# KiCad board totem_0_3.kicad_pcb
title: TOTEM split keyboard; date: 2022-11-03; rev: 0.3; note: Made by GEIST
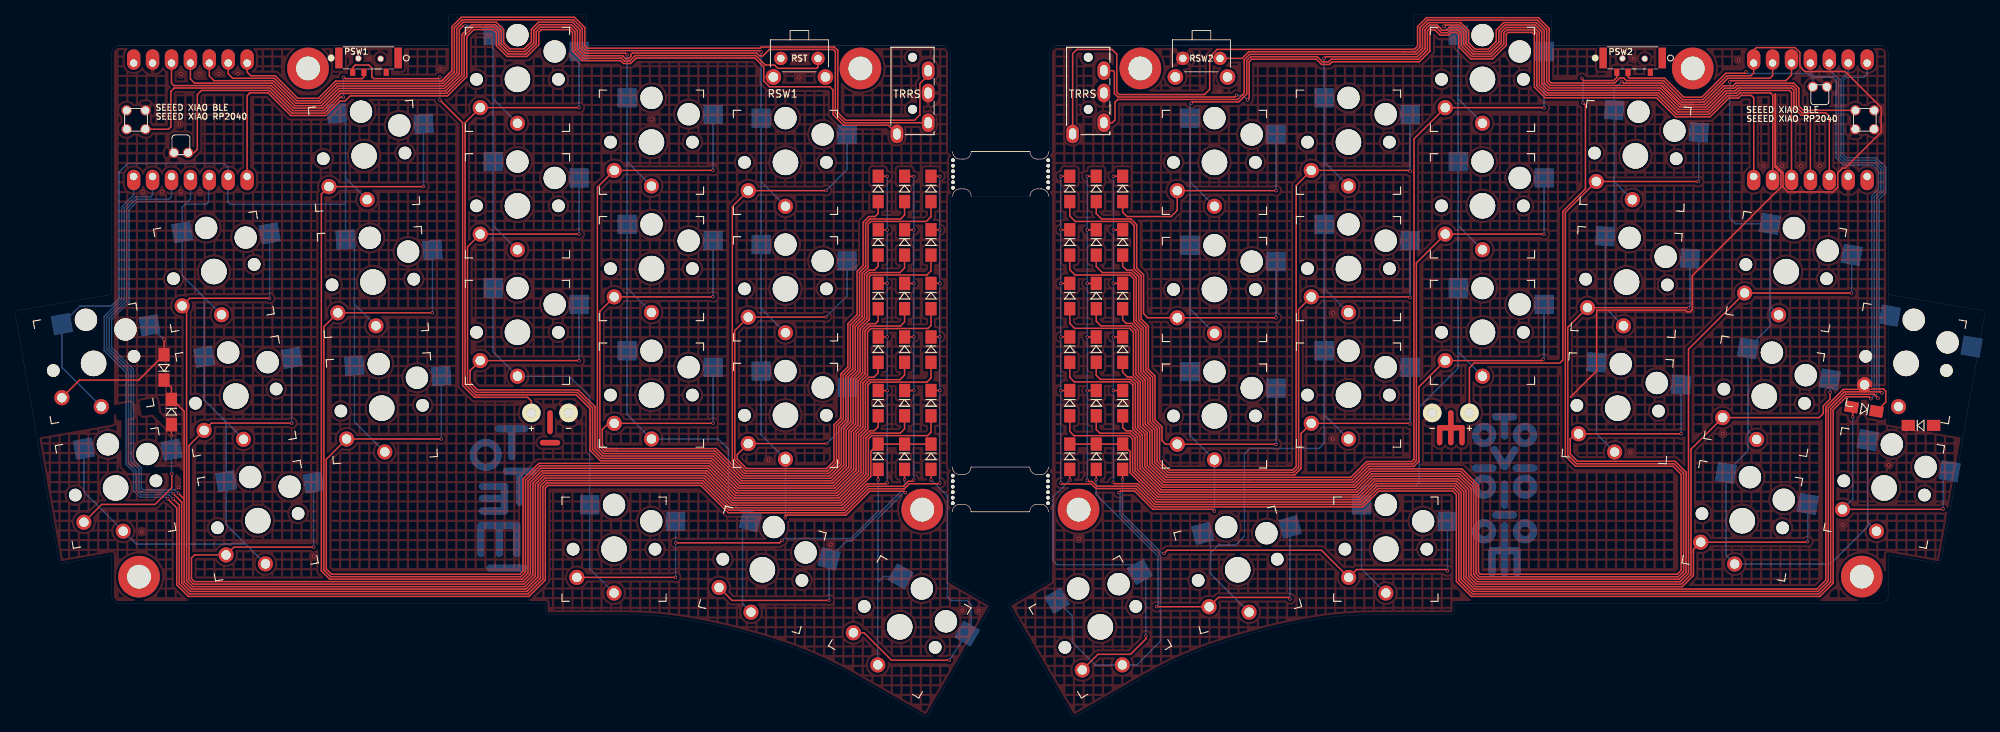
[diagram p0: board, top side]
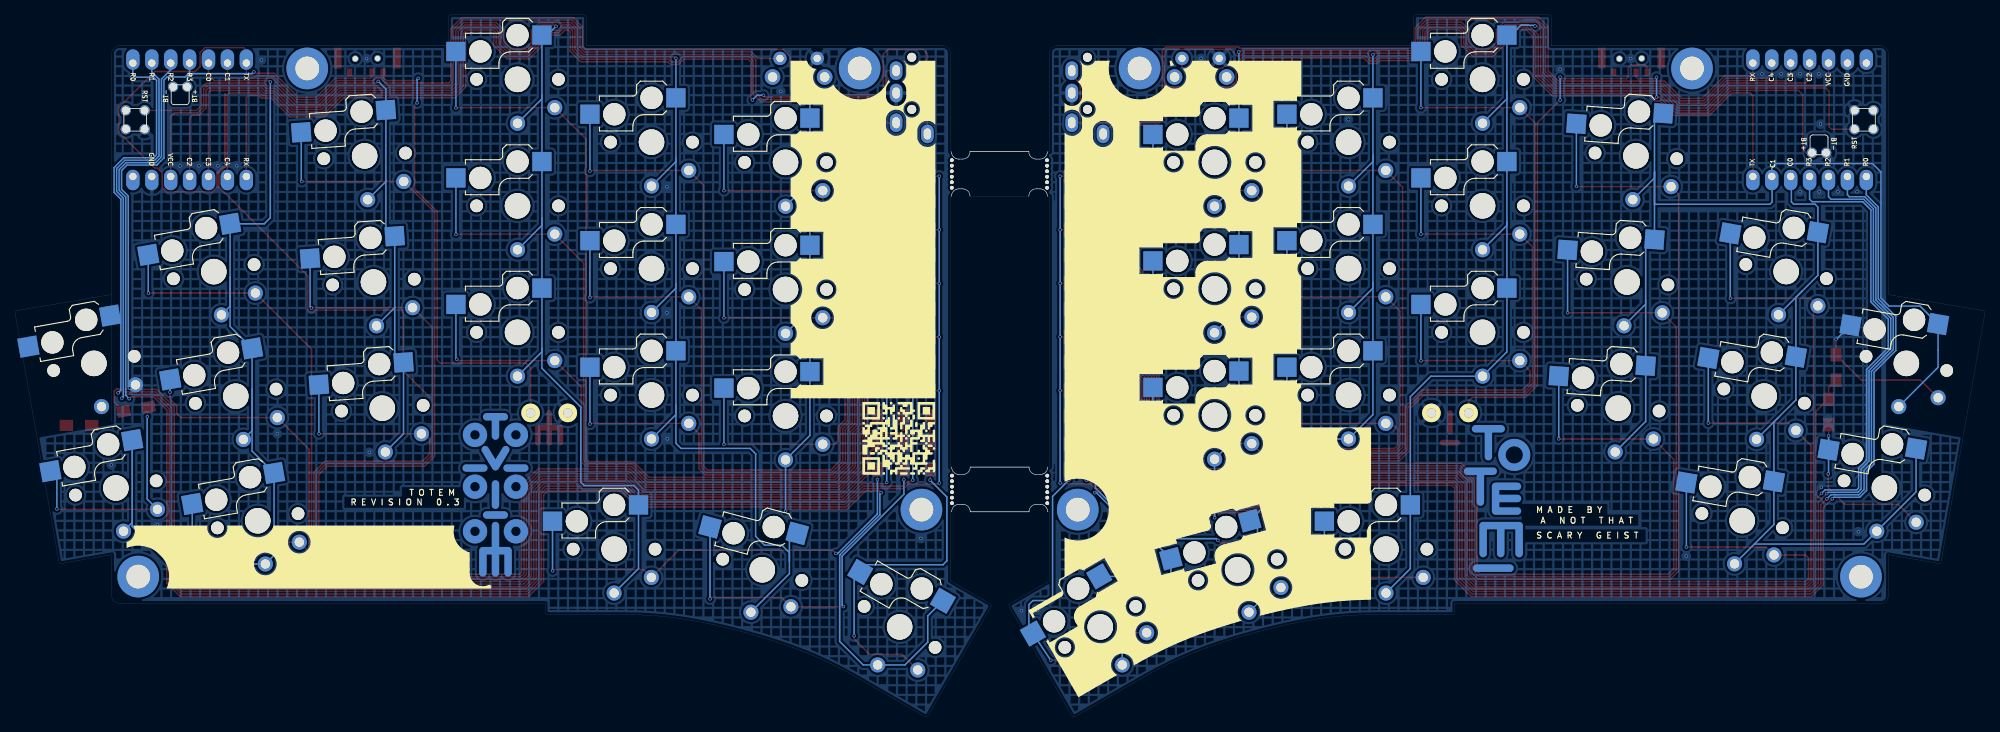
[diagram p1: board, bottom side, seen from below]

Outline 264.64 x 94.39 mm; copper layers: Top, Bottom. Coordinates in mm from the lower left corner of the outline.
Outline path: 125.92,33.61 125.65,33.61 125.65,70.01 125.95,70.01 ; 125.65,76.01 125.95,76.01 ; 125.92,27.61 125.64,27.61 ; 128.42,27.61 136.32,27.61 ; 128.42,33.61 136.32,33.61 ; 128.45,76.01 136.35,76.01 ; 136.35,70.01 128.45,70.01 ; 138.82,27.61 138.99,27.61 ; 138.82,33.61 139,33.61 139,70.01 138.85,70.01 ; 138.85,76.01 139,76.01
Stack: Top 0.035mm / dielectric 1.51mm FR4 er 4.5 / Bottom 0.035mm

## Placement (name value [footprint] x y rotation side)
BAT+1  +  [BatteryPad]  69.38 40.89 0 top
BAT+2  +  [BatteryPad]  195.38 40.89 0 top
BATGND1  -  [BatteryPad]  74.38 40.89 0 top
BATGND2  -  [BatteryPad]  190.38 40.89 0 top
DL1  D_Small  [Diode_SOD123]  123.05 42.2 270 top
DL2  D_Small  [Diode_SOD123]  123.05 49.4 270 top
DL3  D_Small  [Diode_SOD123]  123.05 56.6 270 top
DL4  D_Small  [Diode_SOD123]  123.05 63.8 270 top
DL5  D_Small  [Diode_SOD123]  123.05 71 270 top
DL6  D_Small  [Diode_SOD123]  119.5 42.2 270 top
DL7  D_Small  [Diode_SOD123]  119.5 49.4 270 top
DL8  D_Small  [Diode_SOD123]  119.5 56.59 270 top
DL9  D_Small  [Diode_SOD123]  119.5 63.8 270 top
DL10  D_Small  [Diode_SOD123]  119.5 71 270 top
DL11  D_Small  [Diode_SOD123]  115.95 42.2 270 top
DL12  D_Small  [Diode_SOD123]  115.95 49.4 270 top
DL13  D_Small  [Diode_SOD123]  115.95 56.59 270 top
DL14  D_Small  [Diode_SOD123]  115.95 63.8 270 top
DL15  D_Small  [Diode_SOD123]  115.95 71 270 top
DL16  D_Small  [Diode_SOD123]  21.03 41 270 top
DL17  D_Small  [Diode_SOD123]  20.03 47 90 top
DL18  D_Small  [Diode_SOD123]  115.95 35 270 top
DL19  D_Small  [Diode_SOD123]  119.5 35 270 top
DL20  D_Small  [Diode_SOD123]  123.05 35 270 top
DR1  D_Small  [Diode_SOD123]  148.8 42.2 270 top
DR2  D_Small  [Diode_SOD123]  148.8 49.4 270 top
DR3  D_Small  [Diode_SOD123]  148.8 56.59 270 top
DR4  D_Small  [Diode_SOD123]  148.8 63.8 270 top
DR5  D_Small  [Diode_SOD123]  148.8 71 270 top
DR6  D_Small  [Diode_SOD123]  145.25 42.2 270 top
DR7  D_Small  [Diode_SOD123]  145.25 49.4 270 top
DR8  D_Small  [Diode_SOD123]  145.25 56.59 270 top
DR9  D_Small  [Diode_SOD123]  145.25 63.8 270 top
DR10  D_Small  [Diode_SOD123]  145.25 71 270 top
DR11  D_Small  [Diode_SOD123]  141.7 42.2 270 top
DR12  D_Small  [Diode_SOD123]  141.7 49.4 270 top
DR13  D_Small  [Diode_SOD123]  141.7 56.59 270 top
DR14  D_Small  [Diode_SOD123]  141.7 63.8 270 top
DR15  D_Small  [Diode_SOD123]  141.7 71 270 top
DR16  D_Small  [Diode_SOD123]  248.38 41.39 170 top
DR17  D_Small  [Diode_SOD123]  148.8 35 270 top
DR18  D_Small  [Diode_SOD123]  145.25 35 270 top
DR19  D_Small  [Diode_SOD123]  141.7 35 270 top
DR20  D_Small  [Diode_SOD123]  256.03 39.2 0 top
J1  MJ-4PP-9  [MJ-4PP-9_1side]  120.58 90.19 0 top
J2  MJ-4PP-9  [MJ-4PP-9_1side]  144.18 90.19 0 top
PSW1  SW_SPDT  [MSK12C02]  51.38 89.89 270 top
PSW2  SW_SPDT  [MSK12C02]  221.18 89.89 270 top
REF**  mousebites 2mm  [mousebites_2.5mm]  138.82 30.61 0 top
REF**#2  -  [MountingHole_3.2mm_M3_DIN965_Pad]  121.88 27.89 0 top
REF**#3  -  [MountingHole_3.2mm_M3_DIN965_Pad]  16.68 18.88 0 top
REF**#4  -  [MountingHole_3.2mm_M3_DIN965_Pad]  248.08 18.89 0 top
REF**#5  -  [MountingHole_3.2mm_M3_DIN965_Pad]  225.38 87.19 0 top
REF**#6  -  [MountingHole_3.2mm_M3_DIN965_Pad]  39.38 87.19 0 top
REF**#7  mousebites 2mm  [mousebites_2.5mm]  125.92 30.61 180 top
REF**#8  mousebites 2mm  [mousebites_2.5mm]  138.85 73.01 0 top
REF**#9  -  [MountingHole_3.2mm_M3_DIN965_Pad]  142.88 27.89 0 top
REF**#10  -  [MountingHole_3.2mm_M3_DIN965_Pad]  113.58 87.19 0 top
REF**#11  mousebites 2mm  [mousebites_2.5mm]  125.95 73.01 180 top
REF**#12  -  [MountingHole_3.2mm_M3_DIN965_Pad]  151.18 87.19 0 top
RSW1  SW_Push  [SKHLLCA010]  105.38 87.29 0 top
RSW2  SW_Push  [SKHLLCA010]  159.38 87.29 0 top
SWL1  SW_Push_45deg  [Kailh_socket_PG1350_optional]  26.73 59.89 10 top
SWL2  SW_Push_45deg  [Kailh_socket_PG1350_optional]  46.91 75.45 4 top
SWL3  SW_Push_45deg  [Kailh_socket_PG1350_optional]  67.5 85.72 0 top
SWL4  SW_Push_45deg  [Kailh_socket_PG1350_optional]  85.5 77.29 0 top
SWL5  SW_Push_45deg  [Kailh_socket_PG1350_optional]  103.5 74.57 0 top
SWL6  SW_Push_45deg  [Kailh_socket_PG1350_optional]  29.68 43.15 10 top
SWL7  SW_Push_45deg  [Kailh_socket_PG1350_optional]  48.09 58.49 4 top
SWL8  SW_Push_45deg  [Kailh_socket_PG1350_optional]  67.5 68.72 0 top
SWL9  SW_Push_45deg  [Kailh_socket_PG1350_optional]  85.5 60.29 0 top
SWL10  SW_Push_45deg  [Kailh_socket_PG1350_optional]  103.5 57.57 0 top
SWL11  SW_Push_45deg  [Kailh_socket_PG1350_optional]  32.63 26.41 10 top
SWL12  SW_Push_45deg  [Kailh_socket_PG1350_optional]  49.28 41.53 4 top
SWL13  SW_Push_45deg  [Kailh_socket_PG1350_optional]  67.5 51.72 0 top
SWL14  SW_Push_45deg  [Kailh_socket_PG1350_optional]  85.5 43.29 0 top
SWL15  SW_Push_45deg  [Kailh_socket_PG1350_optional]  103.5 40.57 0 top
SWL16  SW_Push_45deg  [Kailh_socket_PG1350_optional]  13.53 30.8 10 top
SWL17  SW_Push_45deg  [Kailh_socket_PG1350_optional]  10.58 47.54 10 top
SWL18  SW_Push_45deg  [Kailh_socket_PG1350_optional]  80.48 22.58 0 top
SWL19  SW_Push_45deg  [Kailh_socket_PG1350_optional]  100.4 19.8 345 top
SWL20  SW_Push_45deg  [Kailh_socket_PG1350_optional]  118.85 12.13 330 top
SWR1  SW_Push_45deg  [Kailh_socket_PG1350_optional]  237.93 59.88 350 top
SWR2  SW_Push_45deg  [Kailh_socket_PG1350_optional]  217.66 75.44 356 top
SWR3  SW_Push_45deg  [Kailh_socket_PG1350_optional]  197.13 85.72 0 top
SWR4  SW_Push_45deg  [Kailh_socket_PG1350_optional]  179.13 77.29 0 top
SWR5  SW_Push_45deg  [Kailh_socket_PG1350_optional]  161.13 74.57 0 top
SWR6  SW_Push_45deg  [Kailh_socket_PG1350_optional]  234.98 43.14 350 top
SWR7  SW_Push_45deg  [Kailh_socket_PG1350_optional]  216.48 58.48 356 top
SWR8  SW_Push_45deg  [Kailh_socket_PG1350_optional]  197.13 68.72 0 top
SWR9  SW_Push_45deg  [Kailh_socket_PG1350_optional]  179.13 60.29 0 top
SWR10  SW_Push_45deg  [Kailh_socket_PG1350_optional]  161.13 57.48 0 top
SWR11  SW_Push_45deg  [Kailh_socket_PG1350_optional]  232.02 26.39 350 top
SWR12  SW_Push_45deg  [Kailh_socket_PG1350_optional]  215.29 41.52 356 top
SWR13  SW_Push_45deg  [Kailh_socket_PG1350_optional]  197.13 51.72 0 top
SWR14  SW_Push_45deg  [Kailh_socket_PG1350_optional]  179.13 43.29 0 top
SWR15  SW_Push_45deg  [Kailh_socket_PG1350_optional]  161.13 40.48 0 top
SWR16  SW_Push_45deg  [Kailh_socket_PG1350_optional]  251.08 30.8 350 top
SWR17  SW_Push_45deg  [Kailh_socket_PG1350_optional]  184.15 22.58 0 top
SWR18  SW_Push_45deg  [Kailh_socket_PG1350_optional]  164.25 19.8 15 top
SWR19  SW_Push_45deg  [Kailh_socket_PG1350_optional]  145.8 12.13 30 top
SWR20  SW_Push_45deg  [Kailh_socket_PG1350_optional]  254.03 47.54 350 top
U1  xiao-ble  [xiao-ble-smd-cutout]  23.58 80.29 90 top
U2  xiao-ble  [xiao-ble-smd-cutout]  241.18 80.29 270 top

## Library data of the parts
BAT+1 BAT+2 BATGND1 BATGND2 = -: ki_fp_filters: MountingHole*Pad*
DL1-DL20 DR1-DR20 = -: ki_fp_filters: TO-???* *_Diode_* *SingleDiode* D_*

## Footprints (pads in the part's own frame, mm; a bottom-side part is the same pattern mirrored in y, then rotated)
BatteryPad
  round 2.5 hole 1.25: 1(0,0)
Diode_SOD123
  rect 1.8x1.5 smd: 1(-1.7,0) 2(1.7,0)
Kailh_socket_PG1350_optional
  round 1.702 hole 1.702 unplated: (-5.5,0) (5.5,0)
  round 3 hole 3 unplated: (0,5.95) (5,3.75)
  round 3.429 hole 3.429 unplated: (0,0)
  rect 2.6x2.6 smd far side: 1(-3.275,5.95) 2(8.275,3.75)
  round 2.032 hole 1.27: 1(0,-5.9) 2(-5,-3.8)
MJ-4PP-9_1side
  round 1.2 hole 1.2 unplated: (0,-1.5) (0,-8.5)
  oval 1.7x2.5 hole 1x1.5: A(-2.1,-11.8) B(2.1,-3.3) C(2.1,-6.3) D(2.1,-10.3)
MountingHole_3.2mm_M3_DIN965_Pad
  round 5.6 hole 3.2: 1(0,0)
mousebites_2.5mm
  round 0.5 hole 0.5 unplated: (-0.05,1.85) (-0.05,1.11) (-0.05,0.37) (-0.05,-0.37) (-0.05,-1.11) (-0.05,-1.85)
MSK12C02
  round 0.9 hole 0.7 unplated: (1.35,-5.25) (1.4,-2.25)
  rect 1x0.7 smd: 1(3.2,-1.5) 2(3.2,-4.5) 3(3.2,-6)
  rect 2.8x1 smd: NC(1.3,0.1) NC(1.3,-7.85)
SKHLLCA010
  round 1.8 hole 1: 1(2.5,1.25) 2(-2.5,1.25)
  round 2.1 hole 1.3: MP(-3.5,-1.25) MP(3.5,-1.25)
xiao-ble-smd-cutout
  oval 2.75x1.8 hole 1: 1(-7.62,7.62) 2(-7.62,5.08) 3(-7.62,2.54) 4(-7.62,0) 5(-7.62,-2.54) 6(-7.62,-5.08) 7(-7.62,-7.62) 8(7.62,-7.62) 9(7.62,-5.08) 10(7.62,-2.54) 11(7.62,0) 12(7.62,2.54) 13(7.62,5.08) 14(7.62,7.62)
  round 1.397 hole 1.016: 15(-1.27,8.572) 16(1.27,8.572) 17(-1.27,6.032) 18(1.27,6.032) 19(-4.445,0.317) 20(-4.445,2.222)

## Nets
GND_L: BATGND1.1 J1.C RSW1.2 U1.13 U1.18 U1.20
GND_R: BATGND2.1 J2.C RSW2.2 U2.13 U2.18 U2.20
VBAT_L: BAT+1.1 PSW1.3
VBAT_R: BAT+2.1 PSW2.3
VCC_L: J1.D U1.12
VCC_R: J2.D U2.12
BAT+_L: PSW1.2 U1.19
BAT+_R: PSW2.2 U2.19
COL0_L: SWL1.1 SWL6.1 SWL11.1 SWL16.1 U1.5
COL0_R: SWR1.1 SWR6.1 SWR11.1 SWR16.1 U2.5
COL1_L: SWL2.1 SWL7.1 SWL12.1 SWL17.1 U1.6
COL1_R: SWR2.1 SWR7.1 SWR12.1 SWR17.1 U2.6
COL2_L: SWL3.1 SWL8.1 SWL13.1 SWL18.1 U1.11
COL2_R: SWR3.1 SWR8.1 SWR13.1 SWR18.1 U2.11
COL3_L: SWL4.1 SWL9.1 SWL14.1 SWL19.1 U1.10
COL3_R: SWR4.1 SWR9.1 SWR14.1 SWR19.1 U2.10
COL4_L: SWL5.1 SWL10.1 SWL15.1 SWL20.1 U1.9
COL4_R: SWR5.1 SWR10.1 SWR15.1 SWR20.1 U2.9
RESET_L: RSW1.1 U1.17
RESET_R: RSW2.1 U2.17
ROW0_L: DL1.1 DL2.1 DL3.1 DL4.1 DL5.1 U1.1
ROW0_R: DR1.1 DR2.1 DR3.1 DR4.1 DR5.1 U2.1
ROW1_L: DL6.1 DL7.1 DL8.1 DL9.1 DL10.1 U1.2
ROW1_R: DR6.1 DR7.1 DR8.1 DR9.1 DR10.1 U2.2
ROW2_L: DL11.1 DL12.1 DL13.1 DL14.1 DL15.1 U1.3
ROW2_R: DR11.1 DR12.1 DR13.1 DR14.1 DR15.1 U2.3
ROW3_L: DL16.1 DL17.1 DL18.1 DL19.1 DL20.1 U1.4
ROW3_R: DR16.1 DR17.1 DR18.1 DR19.1 DR20.1 U2.4
RX_L: J1.B U1.8
RX_R: J2.B U2.8
TX_L: J1.A U1.7
TX_R: J2.A U2.7
Net-(DL1-A): DL1.2 SWL1.2
Net-(DL2-A): DL2.2 SWL2.2
Net-(DL3-A): DL3.2 SWL3.2
Net-(DL4-A): DL4.2 SWL4.2
Net-(DL5-A): DL5.2 SWL5.2
Net-(DL6-A): DL6.2 SWL6.2
Net-(DL7-A): DL7.2 SWL7.2
Net-(DL8-A): DL8.2 SWL8.2
Net-(DL9-A): DL9.2 SWL9.2
Net-(DL10-A): DL10.2 SWL10.2
Net-(DL11-A): DL11.2 SWL11.2
Net-(DL12-A): DL12.2 SWL12.2
Net-(DL13-A): DL13.2 SWL13.2
Net-(DL14-A): DL14.2 SWL14.2
Net-(DL15-A): DL15.2 SWL15.2
Net-(DL16-A): DL16.2 SWL16.2
Net-(DL17-A): DL17.2 SWL17.2
Net-(DL18-A): DL18.2 SWL18.2
Net-(DL19-A): DL19.2 SWL19.2
Net-(DL20-A): DL20.2 SWL20.2
Net-(DR1-A): DR1.2 SWR1.2
Net-(DR2-A): DR2.2 SWR2.2
Net-(DR3-A): DR3.2 SWR3.2
Net-(DR4-A): DR4.2 SWR4.2
Net-(DR5-A): DR5.2 SWR5.2
Net-(DR6-A): DR6.2 SWR6.2
Net-(DR7-A): DR7.2 SWR7.2
Net-(DR8-A): DR8.2 SWR8.2
Net-(DR9-A): DR9.2 SWR9.2
Net-(DR10-A): DR10.2 SWR10.2
Net-(DR11-A): DR11.2 SWR11.2
Net-(DR12-A): DR12.2 SWR12.2
Net-(DR13-A): DR13.2 SWR13.2
Net-(DR14-A): DR14.2 SWR14.2
Net-(DR15-A): DR15.2 SWR15.2
Net-(DR16-A): DR16.2 SWR16.2
Net-(DR17-A): DR17.2 SWR17.2
Net-(DR18-A): DR18.2 SWR18.2
Net-(DR19-A): DR19.2 SWR19.2
Net-(DR20-A): DR20.2 SWR20.2

Pads without a net: PSW1 1 NC; PSW2 1 NC; REF**#2 1; REF**#3 1; REF**#4 1; REF**#5 1; REF**#6 1; REF**#9 1; REF**#10 1; REF**#12 1; RSW1 MP; RSW2 MP; U1 14 15 16; U2 14 15 16

## Via types
v1: diameter 0.45, hole 0.3, Top to Bottom, 154 vias

## Routing (per net, layer and track width the routed paths; a pad name or vN(x,y) marks a point on that pad's centre or on a via; arc(x,y) is an arc through that point)
GND_L:
  vias: v1(17.03,24.93) v1(17.2,70.61) v1(19.77,70.61) v1(22,30.89) v1(22.11,79.71) v1(22.32,86.47) v1(22.28,70.61) v1(24.86,86.47) v1(24.86,70.61) v1(27.4,86.47) v1(29.97,86.45) v1(40.15,21.64) v1(47.6,88.52) v1(57.09,87.08) v1(85.53,80.34) v1(85.53,80.34) v1(85.53,80.34) v1(101.21,34.55) v1(105.31,88.55) v1(105.31,85.99) v1(109.6,23.22) v1(127.27,14.33) v1(129.44,14.31)
GND_R:
  vias: v1(142.95,24.02) v1(161.77,84.1) v1(177.02,37.41) v1(177.06,71.29) v1(177.07,54.34) v1(217.03,35.59) v1(217.41,88.52) v1(229.4,38.1) v1(231.54,88.32) v1(234.84,74.11) v1(237.38,74.11) v1(239.91,74.11) v1(242.45,74.09) v1(245.51,25.85) v1(251.69,33.9)
VBAT_L: length 69
  Top w0.2: BAT+1.1 69.38,42.48 68.87,42.99 62.47,42.99 ; 62.47,42.99 61.87,42.99 ; 62.47,42.99 61.73,42.99 60.14,44.58 60.14,79.9 v1(57.08,82.95) ; PSW1.3 45.38,87.32 45.71,87.65 47.56,87.65 47.93,87.28 47.93,86.05 48.16,85.82 56.88,85.82 v1(57.08,86.03)
  Bottom w0.2: v1(57.08,86.03) v1(57.08,82.95)
VBAT_R: length 64.1
  Top w0.2: v1(210.47,85.86) 210.47,85.78 210.68,85.56 214.75,85.56 215.18,85.99 PSW2.3 ; v1(210.62,82.57) 210.96,82.23 210.96,71.01 207.93,67.98 207.93,48 207.53,47.59 196.02,47.59 195.38,46.95 BAT+2.1
  Bottom w0.2: v1(210.47,85.86) 210.62,85.7 v1(210.62,82.57)
VCC_L: length 131.8
  Top w0.2: J1.D 111.45,79.89 110.2,81.14 110.2,89.47 109.92,89.75 101.34,89.75 100.47,88.87 100.04,88.87 99.66,89.25 82.94,89.25 82.75,89.06 82.75,88.83 82.44,88.52 82.01,88.52 81.63,88.9 76.47,88.9 75.56,89.81 75.56,92.28 74.76,93.08 70.47,93.08 69.71,92.32 69.71,90.65 68.53,89.47 66.38,89.47 65.32,90.53 65.32,92.27 64.51,93.08 61.36,93.08 ; 61.37,93.08 60.03,91.74 60.03,86.35 57.85,84.17 43.62,84.17 41.31,81.86 37.46,81.86 34.43,84.89 21.36,84.89 21.04,85.21 U1.12
VCC_R: length 135.5
  Top w0.2: J2.D 147.4,79.89 147.77,80.26 147.77,82.66 148.13,83.02 164.25,83.02 165.12,83.89 165.12,88.36 165.85,89.09 188.23,89.09 189.07,89.93 189.07,92.54 189.89,93.36 194.2,93.36 195.27,92.28 195.27,90.64 196.11,89.8 197.94,89.8 198.98,90.84 198.98,92.36 199.98,93.36 204.35,93.36 205.42,92.29 205.42,85.23 206.08,84.57 221.04,84.57 223.61,82.01 227.14,82.01 229.66,84.53 230.94,84.53 231.3,84.89 238.79,84.89 239.3,84.38 239.3,82 240.06,81.23 243.22,81.23 243.72,80.73 243.72,71.72
BAT+_L: length 37
  Top w0.2: PSW1.2 46.88,86.04 46.65,85.82 44.39,85.82 44.21,86 v1(44.13,86) ; U1.19 24.03,75.85 24.5,76.33 24.5,83.67 25.07,84.23 34.15,84.23 37.19,81.2 41.58,81.2 43.71,83.33 v1(44.13,83.33)
  Bottom w0.2: v1(44.13,83.33) v1(44.13,86)
BAT+_R: length 29.5
  Top w0.2: v1(232.54,86.73) 232.54,86.6 232.47,86.54 229.81,86.54 226.6,83.33 224.16,83.33 221.59,85.89 216.87,85.89 216.68,86.09 PSW2.2
  Bottom w0.2: v1(232.54,86.73) 232.77,86.5 240.85,86.5 241.49,85.86 U2.19
COL0_L: length 98.7
  Bottom w0.2: SWL11.1 30.98,23.27 ; 30.98,23.27 28.37,25.88 SWL11.1 28.37,39.67 27.87,40.18 ; 30.98,23.27 30.97,23.26 16.29,23.26 SWL16.1 9.27,30.28 SWL16.1 ; 26.03,72.58 26.03,69.27 25.71,68.95 22.85,68.95 22.47,68.57 SWL1.1 22.47,59.37 24.58,57.26 ; 24.58,57.26 25.42,56.42 SWL6.1 25.42,42.63 27.87,40.18 ; 24.58,57.26 SWL1.1 ; SWL6.1 27.87,40.18
COL0_R: length 129.3
  Top w0.2: U2.5 238.64,86.31 237.88,85.55 230.51,85.55 v1(230.33,85.38)
  Bottom w0.2: SWR1.1 235.74,55.23 235.74,59.14 ; 248.89,26.43 248.89,26.16 SWR16.1 ; 248.89,26.43 SWR16.1 ; 248.89,26.43 248.89,25.63 243.84,20.58 SWR11.1 229.83,21.75 SWR11.1 232.78,35.77 232.78,44.12 ; 232.78,44.12 232.78,38.49 SWR6.1 ; 232.78,44.12 SWR6.1 235.74,52.52 235.74,59.14 ; v1(230.33,85.38) 230.33,67.11 231.14,66.31 SWR1.1 235.74,59.14
COL1_L: length 137.3
  Bottom w0.2: 44.41,73.29 44.41,68.94 28.9,68.94 28.6,69.24 28.6,72.62 ; 44.41,73.29 44.41,79.97 SWL2.1 ; 44.41,73.29 44.41,72.47 SWL2.1 ; 44.41,73.29 SWL7.1 45.6,63.01 45.6,56.03 ; SWL17.1 6.53,46.8 6.53,46.8 6.32,47.01 SWL17.1 8.74,55.25 12.91,55.25 13.99,56.34 13.99,73.27 15.13,74.4 28.13,74.4 28.66,73.88 U1.6 ; SWL7.1 45.6,55.51 45.6,56.03 ; 45.6,56.03 SWL12.1 45.6,39.74 SWL12.1
COL1_R: length 84
  Top w0.2: v1(215.83,85.45) 216.05,85.23 221.32,85.23 223.88,82.67 226.87,82.67 230.08,85.88 235.76,85.88 236.1,86.22 U2.6
  Bottom w0.2: SWR12.1 212.44,38.08 SWR12.1 213.63,48.87 213.63,55.09 ; SWR2.1 214.81,71.99 214.81,72.24 ; SWR7.1 213.63,55.03 213.63,55.09 ; v1(215.83,85.45) 214.81,84.43 SWR2.1 214.81,72.24 ; 213.63,55.09 SWR7.1 214.81,65.83 214.81,72.24
COL2_L: length 148.7
  Top w0.2: U1.11 23.58,85.77 24.13,85.22 34.56,85.22 37.6,82.19 41.17,82.19 43.48,84.5 57.72,84.5 59.7,86.49 59.7,92.41 60.18,92.89 v1(60.45,92.89)
  Bottom w0.2: 64.23,84.05 64.23,83.1 SWL3.1 ; 64.23,84.05 SWL8.1 64.23,66.55 ; 64.23,84.05 SWL3.1 ; 64.23,66.55 64.23,66.1 SWL8.1 ; 64.23,66.55 SWL13.1 64.23,49.1 SWL13.1 74.45,45.82 77.2,43.07 SWL18.1 77.2,19.95 SWL18.1 ; 63.7,91.67 62.38,92.99 60.55,92.99 v1(60.45,92.89)
COL2_R: length 179.2
  Top w0.2: v1(191.95,92.85) 192.12,93.03 194.06,93.03 194.93,92.16 194.93,90.51 195.97,89.47 198.08,89.47 199.33,90.73 199.33,92.24 200.12,93.03 204.21,93.03 205.09,92.15 205.09,85.1 205.94,84.24 220.91,84.24 223.47,81.68 227.28,81.68 229.8,84.2 231.07,84.2 231.44,84.56 238.65,84.56 238.97,84.25 238.97,81.86 239.93,80.9 240.82,80.9 241.18,80.54 241.18,71.72
  Bottom w0.2: 193.85,49.54 SWR13.1 193.85,67.13 ; 193.85,49.54 193.85,49.1 SWR13.1 ; 193.85,49.54 193.85,46.9 188.63,41.67 188.63,31.58 188.17,31.13 181.49,31.13 180.88,30.52 180.88,28.53 180.88,19.95 184.15,16.68 ; 193.85,67.13 193.85,83.63 ; 193.85,67.13 193.85,66.1 SWR8.1 ; 193.85,83.63 SWR3.1 ; 193.85,83.63 193.85,83.1 SWR3.1 ; v1(191.95,92.85) 193.13,91.67
COL3_L: length 174.4
  Top w0.2: v1(82.23,89.04) 82.04,89.23 76.6,89.23 75.89,89.95 75.89,92.41 74.89,93.41 70.33,93.41 69.38,92.45 69.38,90.79 68.4,89.82 66.5,89.82 65.65,90.67 65.65,92.41 64.65,93.41 60.23,93.41 59.36,92.54 59.36,86.61 57.58,84.83 43.35,84.83 41.03,82.52 37.74,82.52 34.7,85.55 26.75,85.55 26.12,86.18 U1.10
  Bottom w0.2: 82.23,58.4 SWL9.1 82.23,75.51 ; 82.23,58.4 SWL14.1 82.23,40.66 SWL14.1 94.46,37.39 95.86,35.99 95.86,29.31 SWL19.1 97.74,25.35 97.74,15.24 SWL19.1 ; 82.23,58.4 82.23,57.66 SWL9.1 ; 82.23,75.51 SWL4.1 82.23,89.04 v1(82.23,89.04) ; 82.23,75.51 82.23,74.66 SWL4.1
COL3_R: length 202.8
  Top w0.2: U2.10 238.64,83.96 238.37,84.23 231.58,84.23 231.21,83.87 229.94,83.87 227.42,81.35 223.34,81.35 220.77,83.91 205.81,83.91 204.76,84.96 204.76,92.01 204.08,92.7 200.25,92.7 199.66,92.11 199.66,90.59 198.21,89.14 195.84,89.14 194.6,90.37 194.6,92.02 193.92,92.7 192.69,92.7 192.33,92.33 191.74,92.33 191.35,92.72 191.04,93.03 190.03,93.03 189.4,92.4 189.4,89.79 188.37,88.76 176.06,88.76 v1(175.86,88.56)